# Altium PCB WeatherMonitor.PcbDoc (part 2 of 2) (continued)
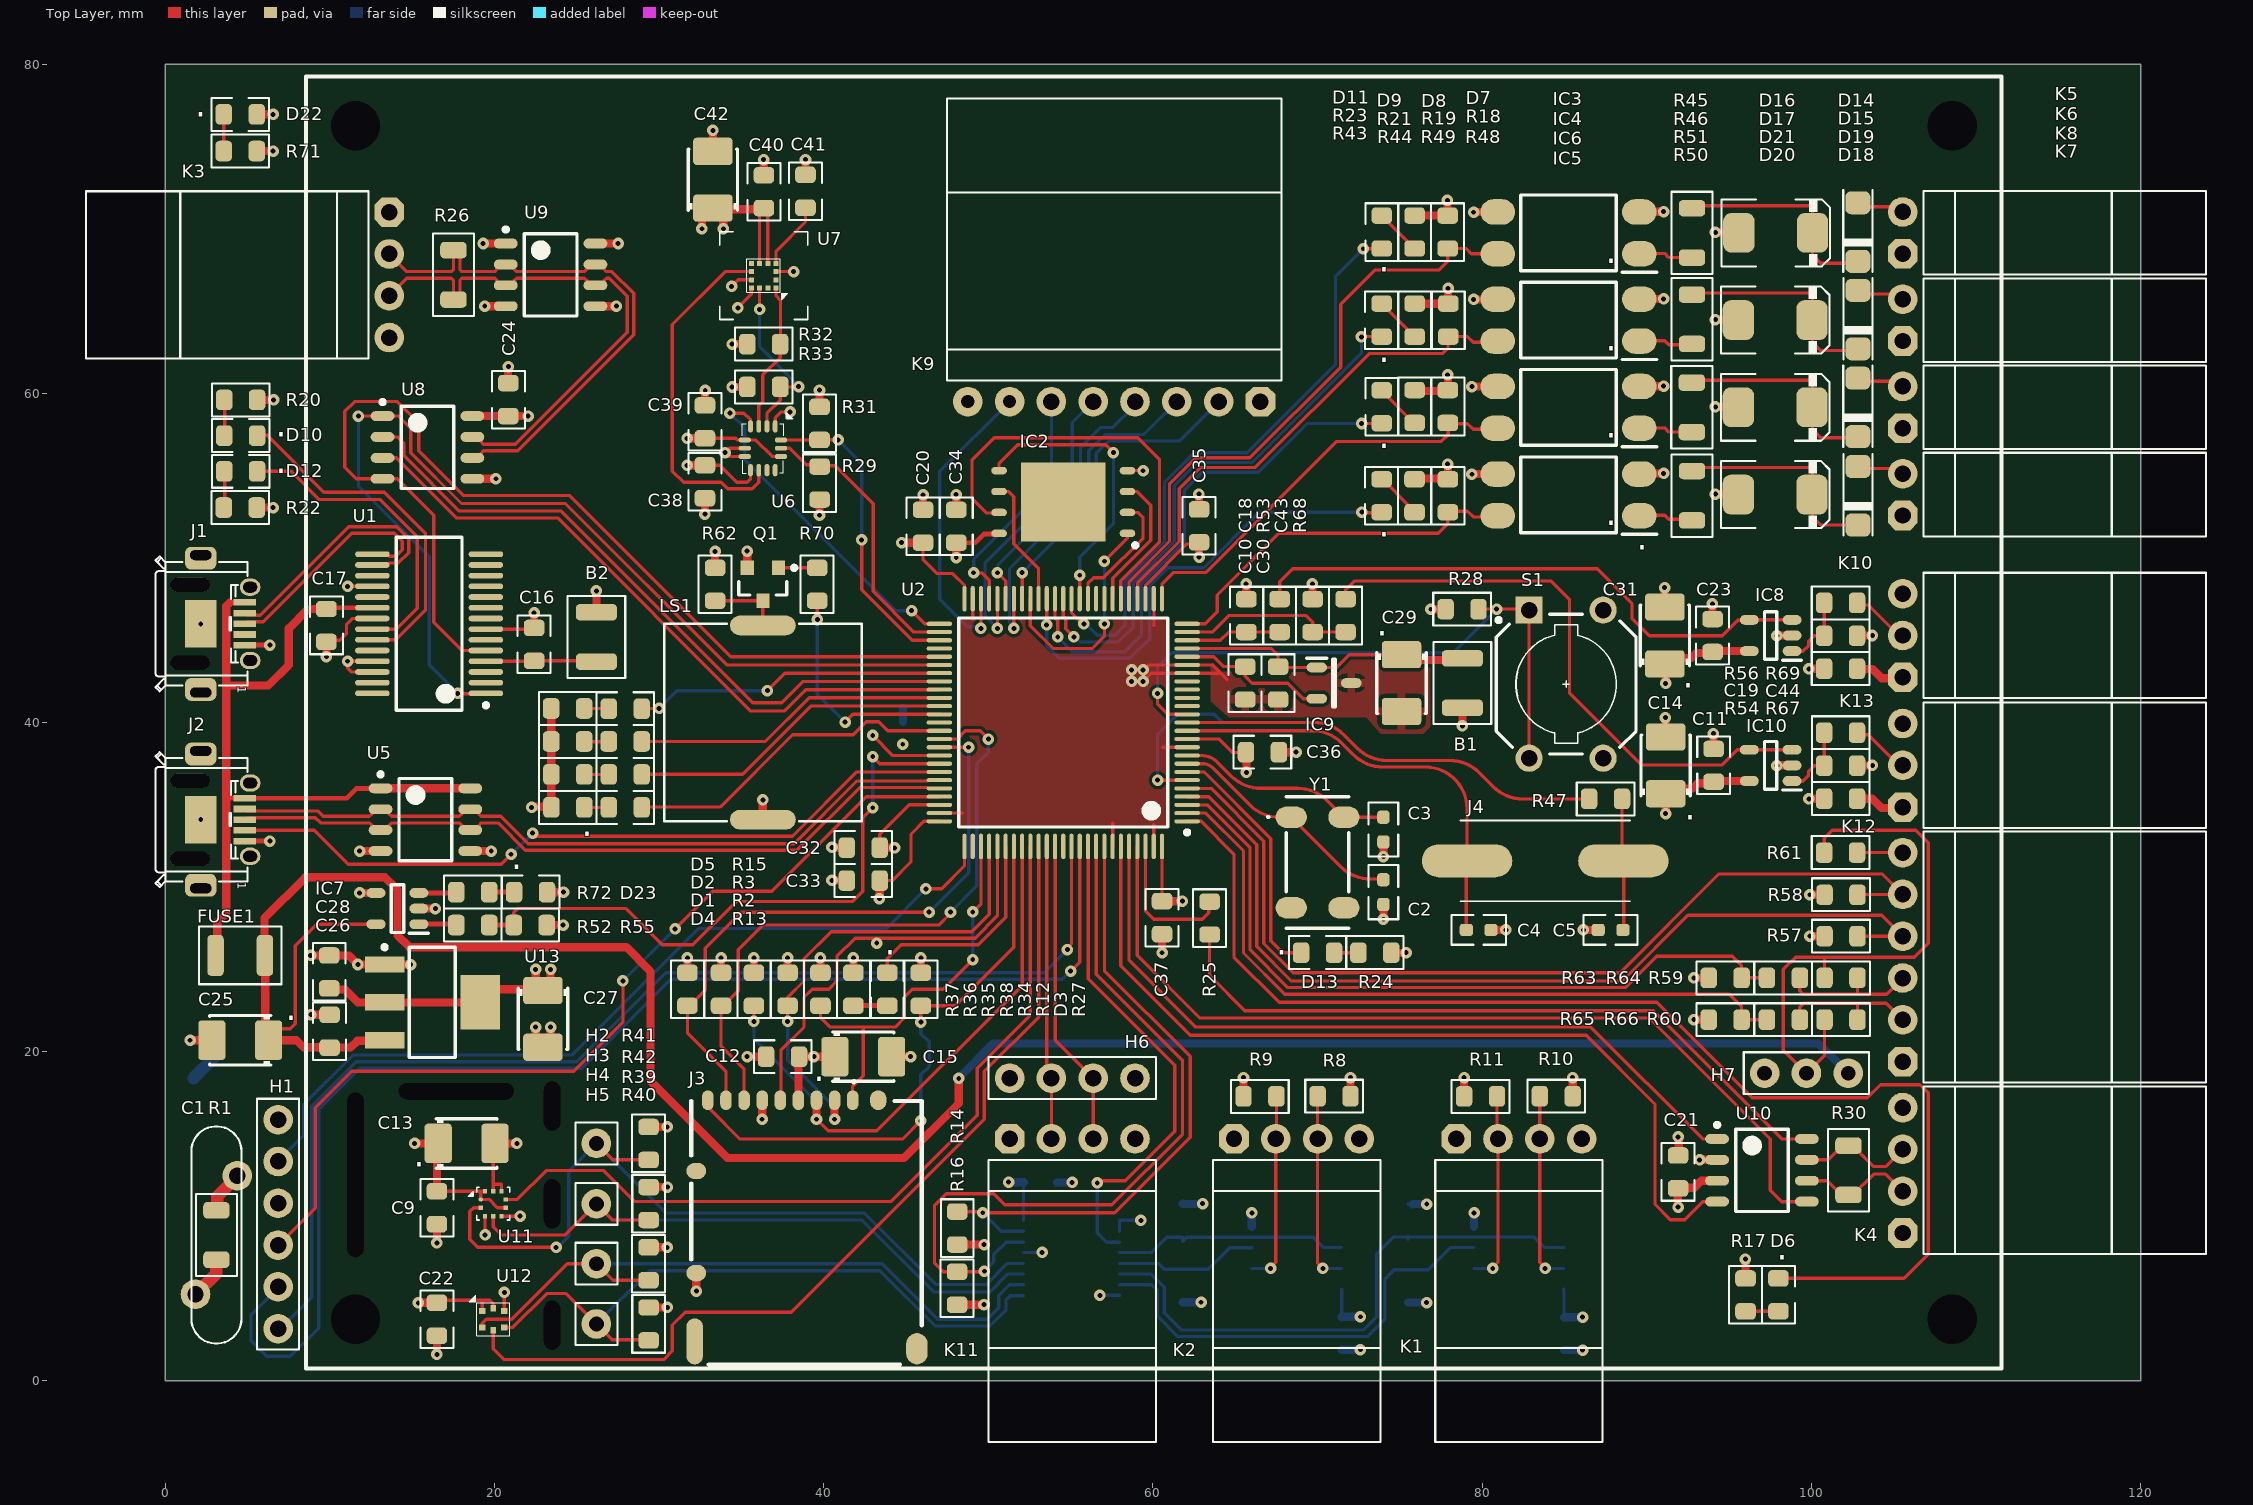
[diagram p0: Top Layer view]
## Nets (pads, with @x,y where several pads share a name; then routed paths per layer and width w, separated by ;. In a path a pad name is that pad's centre, name@x,y a point inside that pad or via, vN(x,y) a via of type N, cw(c..) or ccw(c..) an arc to the next point about the centre after c; other vN are vias at no path point) (continued)
  Top Layer w0.2: D9.1@73.9,65.45 R21.2@75.7,63.65
NetD10_1: D10.1 R20.1 | length 2.2
  Top Layer w0.2: D10.1@3.575,57.434 3.585,57.434 3.6,57.449 3.6,59.575 R20.1@3.575,59.6
NetD11_1: D11.1 R23.2 | length 2.9
  Top Layer w0.2: D11.1@73.944,70.8 D11.1@73.9,70.8 75.7,69 R23.2@75.9,68.8 R23.2@75.856,68.8
NetD12_1: D12.1 R22.1 | length 2.3
  Top Layer w0.2: R22.1@3.549,53.065 3.6,53.115 D12.1@3.6,55.28
  Top Layer w0.5: D12.1@3.575,55.265 3.585,55.265 D12.1@3.6,55.28
NetD13_1: D13.1 R24.2 | length 1.5
  Top Layer w0.2: D13.1@71.002,26.02 R24.2@72.482,26.02
NetD14_1: D14.1 K5.2 | length 2.4
  Top Layer w0.2: D14.1@102.9,71.33 K5.2@105.24,71.33
  Bottom Layer w0.2: K5.2@105.55,71.02 K5.2@105.6,71.02
NetD14_2: D14.2 D16.2 R45.1 | length 13
  Top Layer w0.2: R45.1@92.929,71.399 99.858,71.399 100.069,71.188 100.069,68.41 100.578,67.901 D14.2@102.835,67.901
NetD15_1: D15.1 K6.2 | length 2.3
  Top Layer w0.2: D15.1@102.9,66.031 K6.2@105.24,66.031
NetD15_2: D15.2 D17.2 R46.1 | length 13
  Top Layer w0.2: R46.1@92.929,66.1 99.858,66.1 100.069,65.889 100.069,63.111 100.578,62.602 D15.2@102.835,62.602
NetD18_1: D18.1 K7.2 | length 2.3
  Top Layer w0.2: D18.1@102.9,55.431 K7.2@105.24,55.431
NetD18_2: D18.2 D20.2 R50.1 | length 13
  Top Layer w0.2: R50.1@92.929,55.5 99.858,55.5 100.069,55.289 100.069,52.511 100.578,52.002 D18.2@102.835,52.002
NetD19_1: D19.1 K8.2 | length 2.3
  Top Layer w0.2: D19.1@102.9,60.731 K8.2@105.24,60.731
NetD19_2: D19.2 D21.2 R51.1 | length 13
  Top Layer w0.2: R51.1@92.929,60.8 99.858,60.8 100.069,60.589 100.069,57.811 100.578,57.302 D19.2@102.835,57.302
NetD22_2: D22.2 R71.2 | length 2.2
  Top Layer w0.2: R71.2@3.549,74.723 D22.2@3.549,76.95
NetD23_2: D23.2 R72.2 | length 1.6
  Top Layer w0.3: R72.2@19.675,29.7 19.775,29.8 19.875,29.7 D23.2@21.188,29.7
NetH7_2: H7.2 R59.1 R60.1 R61.2 | length 35.2
  Top Layer w0.2: R61.2@100.775,32.1 100.775,32.975 101.265,33.465 106.335,33.465 107.1,32.7 107.1,26.6 106.25,25.75 100.8,25.75 ; R60.1@100.8,21.949 100.8,19.8 H7.2@99.7,18.7 98.3,20.1 98.3,25 99.05,25.75 100.8,25.75 ; R59.1@100.8,24.489 100.8,24.567 100.767,24.6 100.8,24.633 100.8,25.75
NetIC3_1: IC3.1 R45.2 | length 3.2
  Top Layer w0.2: IC3.1@89.65,68.5 91.099,68.5 91.349,68.25 R45.2@92.75,68.25
NetIC4_1: IC4.1 R46.2 | length 3.2
  Top Layer w0.2: IC4.1@89.65,63.2 91.099,63.2 91.349,62.95 R46.2@92.75,62.95
NetIC5_1: IC5.1 R50.2 | length 3.2
  Top Layer w0.2: IC5.1@89.65,52.601 91.099,52.601 91.349,52.351 R50.2@92.75,52.351
NetIC6_1: IC6.1 R51.2 | length 3.2
  Top Layer w0.2: IC6.1@89.65,57.901 91.099,57.901 91.349,57.651 R51.2@92.75,57.651
NetIC7_1: IC7.1 R52.2 | length 2.3
  Top Layer w0.3: IC7.1@15.4,27.75 17.625,27.75 R52.2@17.675,27.7
NetIC8_3: IC8.3 IC8.4 R53.2 | length 35.1
  Top Layer w0.2: R53.2@67.7,47.525 67.7,48.55 68.5,49.35 86.984,49.35 89.1,47.235 89.1,46.346 90.164,45.282 94.582,45.282 95.523,46.223 96.213,46.223 IC8.4@96.23,46.24 IC8.3@98.83,46.24
  Top Layer w0.5: R53.2@67.7,47.5 R53.2@67.7,47.525
NetIC10_3: IC10.3 IC10.4 R68.2 | length 37.1
  Top Layer w0.2: R68.2@71.7,47.5 71.7,48.07 72.227,48.597 84.201,48.597 85.3,47.498 85.3,41.8 89.674,37.426 ; 90.5,37.426 89.674,37.426 ; IC10.3@98.83,38.35 96.23,38.35 95.5,38.35 94.576,37.426 89.674,37.426
NetK10_1: K10.1 R54.2 | length 3
  Top Layer w0.5: R54.2@102.775,43.275 102.79,43.259 103.701,43.259 104.262,42.698 105.148,42.698 105.2,42.75 K10.1@105.55,42.75
NetK10_2: K10.2 R56.2 | length 3.6
  Top Layer w0.2: R56.2@102.775,47.275 102.907,47.143 103.457,47.143 105.31,45.29 K10.2@105.55,45.29
NetK12_2: K12.2 R60.2 R66.1 | length 8.5
  Top Layer w0.2: R66.1@99.3,21.949 99.3,22.714 99.535,22.949 102.8,22.949 ; R60.2@102.8,21.949 102.8,22.949 ; K12.2@105.55,21.94 104.541,22.949 102.8,22.949
NetK12_3: K12.3 R59.2 R64.1 | length 8.5
  Top Layer w0.2: R64.1@99.3,24.489 99.3,23.7 99.5,23.5 102.8,23.5 ; R59.2@102.8,24.489 102.815,24.489 102.824,24.48 102.8,24.456 102.8,23.5 ; K12.3@105.55,24.48 104.57,23.5 102.8,23.5
NetK12_6: K12.6 R61.1 | length 2.8
  Top Layer w0.2: R61.1@102.775,32.1 K12.6@105.55,32.1
  Bottom Layer w0.5: K12.6@105.55,32.1 K12.6@105.6,32.1
NetK13_1: K13.1 R67.2 | length 2.8
  Top Layer w0.5: R67.2@102.79,35.369 103.701,35.369 104.253,34.817 K13.1@105.391,34.817
NetK13_2: K13.2 R69.2 | length 3.2
  Top Layer w0.2: R69.2@102.907,39.253 103.458,39.253 K13.2@105.31,37.4
NetLS1_1: LS1.1 Q1.3 R62.1 | length 4.9
  Top Layer w0.2: R62.1@33.4,47.4 Q1.3@36.3,47.4 36.3,45.511 LS1.1@36.3,45.6
NetQ1_1: Q1.1 R70.2 | length 2.3
  Top Layer w0.2: Q1.1@37.25,49.4 R70.2@39.6,49.4
NetR25_1: R25.1 U2.98 | length 8.8
  Top Layer w0.2: U2.98@59.55,32.475 59.55,28.533 60.033,28.05 62.987,28.05 63.384,28.447 63.384,29.065 R25.1@63.444,29.125
NRST: R28.1 S1.1 S1.2 U2.14 | length 38.7
  Top Layer w0.2: v1(60.281,41.775) 60.281,41.114 60.895,40.5 U2.14@62.075,40.5 ; R28.1@79.777,46.885 79.777,46.894 v1(80.877,46.894) 82.791,46.894 S1.1@82.85,46.836 S1.2@82.85,37.836 S1.2@82.914,37.9
  Bottom Layer w0.2: v1@60.377,41.871 v1(60.281,41.775) 60.281,43.394 61.137,44.25 78.233,44.25 v1(80.877,46.894)
OSC32_IN: C2.2 U2.8 Y1.1 | length 14.6
  Top Layer w0.2: U2.8@62.075,37.5 63.026,37.5 cw(c63.026,36.656) 63.622,37.253 65.881,34.994 ccw(c67.677,36.79) 67.677,34.25 Y1.1@68.4,34.25 68.402,34.25 69.022,33.631 69.022,33.628 71.406,31.244 ccw(c73.202,33.04) 73.202,30.5 74,30.5 C2.2@74,30.45
OSC32_OUT: C3.2 U2.9 Y1.4 | length 13.2
  Top Layer w0.2: U2.9@62.075,38 62.835,38 cw(c62.835,35.951) 62.95,37.997 cw(c62.95,36.634) 63.395,37.922 cw(c62.95,36.634) 63.914,37.598 64.762,36.749 ccw(c66.558,38.545) 65.425,36.272 ccw(c66.558,38.545) 66.558,36.005 68.793,36.005 cw(c68.793,33.465) 70.589,35.261 Y1.4@71.6,34.25 C3.2@74,34.25
OSC_IN: C4.1 J4.1 U2.12 | length 26.5
  Top Layer w0.2: U2.12@62.075,39.5 69.674,39.5 cw(c69.674,36.96) 71.47,38.756 72.182,38.044 ccw(c73.978,39.84) 73.978,37.3 76.542,37.3 cw(c76.542,34.76) 79.082,34.76 J4.1@79.082,31.6 ccw(c79.195,31.487) 79.035,31.487 C4.1@79.035,27.4
OSC_OUT: R47.1 U2.13 | length 25.9
  Top Layer w0.2: U2.13@62.075,40 69.804,40 cw(c69.804,37.46) 71.6,39.256 72.412,38.444 ccw(c74.208,40.24) 74.208,37.7 78.029,37.7 cw(c78.029,35.16) 79.825,36.956 80.68,36.101 ccw(c82.476,37.897) 82.476,35.357 86.497,35.357 R47.1@86.497,35.366
PCA9546_RESET#: IC1.3 U2.91 | length 30
  Top Layer w0.2: U2.91@56.05,32.475 56.05,32.11 U2.91@56.06,32.1 ; U2.91@56.06,31.78 56.06,24.44 61.317,19.183 61.317,15.174 58.308,12.165 56.835,12.165 v1@56.8,12.2 ; U2.91@56.06,31.78 U2.91@56.06,32.1
  Bottom Layer w0.2: v1(56.616,12.031) 56.616,8.995 57.176,8.435 IC1.3@57.639,8.435 ; IC1.3@57.62,8.455 IC1.3@57.639,8.435 ; IC1.3@57.971,8.435 IC1.3@57.669,8.435 ; IC1.3@57.639,8.435 IC1.3@57.669,8.435 ; IC1.3@57.639,8.435 57.654,8.42 IC1.3@57.669,8.435
QUAD_SPI_CLK: IC2.6 U2.41 | length 7.9
  Top Layer w0.2: IC2.6@50.65,54.035 51.242,54.035 51.55,53.727 51.55,50.85 53.05,49.35 U2.41@53.05,47.525
QUAD_SPI_CS#: IC2.1 U2.42 | length 14
  Top Layer w0.2: U2.42@52.55,47.525 52.55,45.89 53.94,44.5 56.306,44.5 57.05,45.244 v1(57.05,46) 57.05,46.069 v1@57.081,46.1 ; v1(57.05,49.8) 58.45,51.2 IC2.1@58.45,51.495
  Bottom Layer w0.2: v1(57.05,46) v1(57.05,49.8)
QUAD_SPI_DQ0: IC2.5 U2.36 | length 17.8
  Top Layer w0.2: IC2.5@50.7,55.3 50.695,55.305 IC2.5@50.65,55.305 50.65,55.75 51.781,56.881 57.119,56.881 v1(57.6,56.4) ; U2.36@55.55,47.525 v1(55.55,48.95)
  Bottom Layer w0.2: v1(55.55,48.95) 55.55,50.039 57.6,52.089 v1(57.6,56.4)
QUAD_SPI_DQ1: IC2.2 U2.35 | length 7.7
  Top Layer w0.2: U2.35@56.05,47.525 56.05,48.45 56.39,48.79 56.99,48.79 59.4,51.2 59.4,52.451 59.086,52.765 IC2.2@58.45,52.765
QUAD_SPI_DQ2: IC2.3 U2.32 | length 8.4
  Top Layer w0.2: U2.32@57.55,47.525 57.55,48.765 59.865,51.081 59.865,53.21 59.042,54.034 IC2.3@58.451,54.034
QUAD_SPI_DQ3/HOLD#: IC2.7 U2.31 | length 26.3
  Top Layer w0.2: IC2.7@50.65,52.765 50.65,52.75 50.6,52.7 50.571,52.729 49.905,52.729 49,53.634 49,55.939 50.361,57.3 59.081,57.3 60.4,55.981 60.4,50.975 58.05,48.625 U2.31@58.05,47.525
R\E\S\E\T\_FT: U1.19
RCC_MCO: U2.67 | length 4.6
  Top Layer w0.2: v1(42.975,39.217) 44.196,37.997 46.797,37.997 46.8,38 U2.67@47.025,38
REF_2048V: C10.1 IC9.2 U2.21 | length 9.3
  Top Layer w0.2: U2.21@62.075,44 63.7,44 64.3,43.4 C10.1@65.6,43.4 65.6,42.8 66.016,42.384 68.191,42.384 69.125,41.45 IC9.2@69.95,41.45
RESET_LCD: K9.6 U2.47 | length 14.6
  Top Layer w0.2: v1(49.1,49.1) 49.11,49.09 49.61,49.09 50.05,48.65 U2.47@50.05,47.525
  Bottom Layer w0.2: v1(49.1,49.1) 49.11,49.09 49.11,49.91 53.83,54.63 K9.6@53.83,59.5
RS485_N: K3.2 R26.2 U8.6 U9.2 U9.7 | length 34.5
  Top Layer w0.2: K3.2@13.603,68.47 14.673,67.4 15.586,67.4 17.383,67.4 17.5,67.517 R26.2@17.5,68.7 17.511,68.7 17.9,68.311 17.9,67.517 18.017,67.4 20.005,67.4 20.177,67.571 20.177,67.65 20.362,67.835 20.995,67.835 21.18,67.65 21.18,67.571 21.351,67.4 25.455,67.4 25.627,67.571 25.627,67.65 25.812,67.835 26.445,67.835 26.63,67.65 26.63,67.571 26.801,67.4 27.133,67.4 28.453,66.079 28.453,63.551 21.418,56.516 19.323,56.516 19.152,56.345 19.152,56.266 18.967,56.081 U8.6@18.65,56.081
RS485_P: K3.3 R26.1 U8.7 U9.3 U9.6 | length 33.1
  Top Layer w0.2: K3.3@13.603,65.93 14.673,67 15.752,67 17.383,67 17.5,66.883 R26.1@17.5,65.7 17.511,65.7 17.9,66.089 17.9,66.883 18.017,67 20.005,67 20.177,66.829 20.177,66.75 20.362,66.565 20.995,66.565 21.18,66.75 21.18,66.829 21.351,67 25.455,67 25.627,66.829 25.627,66.75 25.812,66.565 26.445,66.565 26.63,66.75 26.63,66.829 26.801,67 26.967,67 28.053,65.914 28.053,63.717 21.252,56.916 19.323,56.916 19.152,57.087 19.152,57.166 18.967,57.351 U8.7@18.65,57.351
RTC_OUT_ALARM: D13.2 U2.7 | length 15.1
  Top Layer w0.2: U2.7@62.075,37 63.1,37 67.15,32.95 67.15,26.74 67.87,26.02 D13.2@69.002,26.02
RTS#: U1.3
RXD_HOST: U1.5 U2.55 U8.4 | length 64.2
  Top Layer w0.2: U1.5@19.475,44.375 18.025,44.375 16.3,46.1 16.3,52.6 14.089,54.811 U8.4@13.2,54.811 11.589,54.811 10.9,55.5 10.9,58.9 11.5,59.5 14.1,59.5 15.4,58.2 15.4,56.5 18.1,53.8 24.55,53.8 34.35,44 46.638,44 U2.55@47.025,44
RXDEN_HOST#: U2.58 U8.2 | length 41.5
  Top Layer w0.2: U8.2@13.2,57.351 14.09,57.351 14.5,56.941 14.5,56.2 17.85,52.85 24.05,52.85 35.7,41.2 37.451,41.2 38.751,42.5 U2.58@47.025,42.5
RXLED#: D12.2 U1.22 | length 19
  Top Layer w0.2: D12.2@5.575,55.265 7.635,55.265 9.35,53.55 13.05,53.55 15.3,51.3 15.3,46.95 14.025,45.675 U1.22@12.575,45.675
SC0: IC1.7 R5.1 U3.3 | length 27.4
  Bottom Layer w0.2: IC1.7@57.971,5.844 59.937,5.844 60.281,5.5 60.281,3.919 61.5,2.7 73.012,2.7 74.1,3.788 74.1,6.209 74.652,6.761 R5.1@75.491,6.761 76.727,6.761 78.071,8.104 U3.3@79.507,8.104
SC1: IC1.5 R4.2 U4.3 | length 8.7
  Bottom Layer w0.2: IC1.5@57.971,7.139 60.33,7.139 60.686,6.784 R4.2@61.791,6.784 63.356,6.784 64.672,8.1 66.002,8.1 U4.3@66.007,8.104
SC2: H4.1 IC1.10 R39.1 U12.2 | length 40.9
  Top Layer w0.2: U12.2@19.245,3.25 19.258,3.263 19.258,3.5 19.508,3.75 21.05,3.75 24.426,7.126 H4.1@26.188,7.126 27.195,6.119 R39.1@29.357,6.119
  Bottom Layer w0.2: H4.1@26.188,7.126 43.542,7.126 46.918,3.75 49.927,3.75 50.629,4.452 50.629,5.189 51.284,5.844 IC1.10@52.129,5.844
SC3: H2.1 IC1.12 R41.1 U11.2 | length 48.9
  Top Layer w0.2: U11.2@19.2,10.5 19.174,10.526 U11.2@19.158,10.526 18.726,10.526 18.5,10.3 18.5,8.6 18.981,8.119 v1@23.7,8.119 ; H2.1@26.188,14.431 27.188,13.431 R41.1@29.357,13.431
  Bottom Layer w0.2: v1(23.735,8.119) 23.785,8.119 23.8,8.104 24.5,8.804 24.5,12.743 H2.1@26.188,14.431 30.42,10.2 42.475,10.2 46.82,5.855 49.874,5.855 51.158,7.139 IC1.12@52.129,7.139
SD0: IC1.6 R7.1 U3.6 | length 34.2
  Bottom Layer w0.2: IC1.6@57.971,6.504 59.865,6.504 60.686,5.684 60.686,4.139 61.725,3.1 72.796,3.1 73.6,3.904 73.6,7.737 74.607,8.744 R7.1@75.5,8.744 83.156,8.744 83.796,8.104 U3.6@84.957,8.104 ; R7.1@75.491,8.589 R7.1@75.5,8.589
SD1: IC1.4 R6.2 U4.6 | length 14.5
  Bottom Layer w0.2: IC1.4@57.952,7.8 IC1.4@57.971,7.8 59.9,7.8 60.837,8.737 61.809,8.737 61.809,8.489 62.057,8.737 69.736,8.737 70.369,8.104 U4.6@71.457,8.104
SD2: H5.1 IC1.9 R40.1 U12.4 | length 40.7
  Top Layer w0.2: U12.4@20.595,3.25 20.595,3.202 20.643,3.25 21.117,3.25 23.178,5.311 24.342,5.311 H5.1@26.188,3.464 27.149,2.504 R40.1@29,2.504
  Top Layer w0.5: R40.1@29,2.504 29.039,2.464 R40.1@29.366,2.464
  Bottom Layer w0.2: H5.1@26.188,3.464 29.424,6.7 43.4,6.7 46.761,3.339 50.085,3.339 51.075,4.329 51.075,4.932 51.326,5.183 IC1.9@52.129,5.183
SD3: H3.1 IC1.11 R42.1 U11.4 | length 40.1
  Top Layer w0.2: U11.4@19.92,10.014 19.92,9.369 20.42,8.869 24.297,8.869 H3.1@26.188,10.76 27.172,9.776 R42.1@29.366,9.776
  Bottom Layer w0.2: H3.1@26.188,10.76 27.172,9.776 42.323,9.776 46.699,5.4 50.084,5.4 51.189,6.504 IC1.11@52.129,6.504
SD_CLK: J3.5 U2.80 | length 25.9
  Top Layer w0.2: J3.5@37.359,17.057 37.359,17.041 37.4,17 37.4,20.101 38.799,21.5 38.799,23.299 39.3,23.8 40.3,23.8 40.8,24.3 40.8,25.8 41.9,26.9 49.2,26.9 50.55,28.25 U2.80@50.55,32.475
  other v1: 43.219,26.601
SD_CMD: J3.3 R35.1 U2.83 | length 34.4
  Top Layer w0.2: v1(35.759,21.843) R35.1@35.759,22.8 ; v1(39.559,15.9) 40.259,15.2 43.233,15.2 52.05,24.017 U2.83@52.05,32.475
  Top Layer w0.5: v1(39.559,15.9) J3.3@39.559,17.057
  Bottom Layer w0.2: v1@35.759,21.643 35.759,20.775 39.559,16.975 v1(39.559,15.9)
  Bottom Layer w0.5: v1@39.5,15.876 39.524,15.9 v1(39.559,15.9)
SD_D0: J3.7 R36.1 U2.65 | length 39.3
  Top Layer w0.2: J3.7@35.159,17.057 35.157,18.943 33.759,20.341 R36.1@33.759,22.8 33.9,22.8 34.8,23.7 34.8,26.2 36.3,27.7 47,27.7 47.7,28.4 v1(47.7,28.484) ; U2.65@47.025,39 48.1,39 48.6,39.5 49.5,39.5 v1(50,39)
  Top Layer w0.5: J3.7@35.159,17.057 J3.7@35.159,17.057
  Bottom Layer w0.2: v1(47.7,28.484) 49.3,30.084 49.3,37.5 50,38.2 v1@50,38.9 ; v1@49.9,39 v1@50,38.9 ; v1(50,39) v1@50,38.9 ; v1@50.1,38.8 v1@50,38.9
SD_D1: J3.8 R37.1 U2.66 | length 38.5
  Top Layer w0.2: J3.8@34.059,17.057 34.059,18.815 31.716,21.158 R37.1@31.716,22.799 31.849,22.799 32.8,23.75 32.8,26.3 34.984,28.484 v1(46.4,28.484) ; U2.66@47.025,38.5 49.05,38.5 v1(48.8,38.5)
  Bottom Layer w0.2: v1(46.4,28.484) 48.8,30.884 v1(48.8,38.5)
SD_D2: J3.1 R34.1 U2.78 | length 24.5
  Top Layer w0.2: R34.1@39.8,22.8 39.8,22.1 40.4,21.5 42.4,21.5 ; J3.1@41.759,17.057 J3.1@41.759,17.259 ; J3.1@41.9,17.4 41.888,17.4 41.75,17.538 41.75,17.9 42.4,18.55 42.4,21.5 ; v1(49.05,25.6) 47.25,23.8 45.375,23.8 44.9,23.325 44.9,22.052 44.348,21.5 42.4,21.5 ; v1(49.05,28.5) 49.1,28.5 49.55,28.95 U2.78@49.55,32.475
  Bottom Layer w0.2: v1(49.05,28.5) v1(49.05,25.6) 49.05,25.55 v1@49.1,25.5
SD_D3/CD: J3.2 R38.1 U2.79 | length 28.8
  Top Layer w0.2: v1(37.809,21.843) 37.8,21.852 R38.1@37.8,22.8 37.8,23.3 38.799,24.299 38.799,25.649 40.45,27.3 49,27.3 50.05,28.35 U2.79@50.05,32.475
  Top Layer w0.5: v1(40.659,15.9) J3.2@40.659,17.057
  Bottom Layer w0.2: v1@37.809,21.643 37.809,19.491 40.659,16.641 v1(40.659,15.9)
SD_DETECT: J3.10 R27.2 U2.82 | length 35.3
  Top Layer w0.2: J3.10@32.959,17.057 32.959,16.641 33,16.6 33.031,16.6 33.136,16.495 33.136,16.464 34.9,14.7 44.8,14.7 v1(45.9,15.8) ; v1(45.9,21.8) R27.2@45.9,22.8 48,22.8 51.55,26.35 U2.82@51.55,32.475
  Bottom Layer w0.2: v1(45.9,15.8) 45.9,18.6 46.4,19.1 46.4,20.6 45.9,21.1 v1(45.9,21.8)
SHIELD: C1.1 J1.6 J1.7 J1.8 J1.9 J1.10 J2.6 J2.7 J2.8 J2.9 J2.10 R1.2 | length 4.4
  Top Layer w0.5: R1.2@3.1,10.369 R1.2@3.149,10.419
  Top Layer w0.75: R1.2@3.149,10.419 3.149,11.2 4.37,12.421 C1.1@4.37,12.469
  Bottom Layer w0.75: 1.715,18.4 3,19.685
  other v1: 2.15,34.1 2.15,46
SPI1_CLK_LCD: K9.3 U2.44 | length 21.3
  Top Layer w0.2: v1(51.55,45.725) U2.44@51.55,47.525
  Bottom Layer w0.2: v1(51.55,45.725) 51.55,45.832 51.29,46.092 51.29,49.36 56.1,54.17 56.1,56.5 57.1,57.5 59.45,57.5 K9.3@61.45,59.5
SPI1_MOSI_LCD: K9.5 U2.46 | length 18.6
  Top Layer w0.2: v1(50.55,45.725) U2.46@50.55,47.525
  Bottom Layer w0.2: v1(50.55,45.725) 49.8,46.475 49.8,49.71 55.1,55.01 55.1,58.23 K9.5@56.37,59.5
SPI1_NSS_LCD: K9.2 U2.43 | length 19.4
  Top Layer w0.2: U2.43@52.05,47.525 v1(52.05,49.115)
  Bottom Layer w0.2: v1(52.05,49.115) 56.55,53.615 56.55,56.35 57.3,57.1 61.59,57.1 K9.2@63.99,59.5
TIM3_CH1: R65.2 R66.2 U2.2 | length 44.5
  Top Layer w0.2: U2.2@62.075,34.5 63.026,34.5 63.2,34.5 65.5,32.2 65.5,26 68,23.5 95,23.5 95.76,22.74 R65.2@95.76,21.949 R66.2@97.3,21.949
TIM3_CH2: R63.2 R64.2 U2.3 | length 45.2
  Top Layer w0.2: U2.3@62.075,35 62.075,34.994 63.306,34.994 65.9,32.4 65.9,26.2 68.2,23.9 88.7,23.9 90.6,25.8 95.2,25.8 95.76,25.24 R63.2@95.76,24.489 R64.2@97.3,24.489
TIM3_IN_CH3: K12.4 R57.2 U2.4 | length 56.9
  Top Layer w0.2: U2.4@62.075,35.5 62.134,35.5 62.16,35.474 62.185,35.5 63.384,35.5 66.3,32.584 66.3,26.4 68.4,24.3 88.5,24.3 92.5,28.3 104.27,28.3 K12.4@105.55,27.02 102.981,27.02 102.8,26.839 R57.2@102.8,26.939
TIM3_IN_CH4: K12.5 R58.2 U2.5 | length 57.8
  Top Layer w0.2: U2.5@62.075,36 U2.5@62.37,36 ; U2.5@62.397,35.99 62.388,35.982 U2.5@62.37,36 ; R58.2@102.8,29.54 102.8,29.756 102.996,29.56 K12.5@105.55,29.56 104.31,30.8 94.381,30.8 88.381,24.799 68.51,24.799 66.732,26.578 66.732,32.801 63.532,36 U2.5@62.37,36
TXD_HOST: U1.1 U2.56 U8.1 | length 63.7
  Top Layer w0.2: v1(11.728,58.621) U8.1@13.2,58.621 14.164,58.621 14.9,57.885 14.9,56.4 17.991,53.309 24.291,53.309 34.1,43.5 47.1,43.5 U2.56@47.025,43.5 ; v1(17.755,41.775) 17.78,41.75 19.378,41.75 19.403,41.775 U1.1@19.475,41.775
  Bottom Layer w0.2: v1(11.728,58.621) 11.728,54.372 16.025,50.075 16.025,43.505 v1(17.755,41.775)
TXDEN_HOST: U2.59 U8.3 | length 40
  Top Layer w0.2: U8.3@13.916,56.081 14.019,56.081 17.669,52.431 23.826,52.431 35.557,40.7 37.605,40.7 38.905,42 U2.59@47.025,42
TXLED#: D10.2 U1.23 | length 21.3
  Top Layer w0.2: D10.2@5.575,57.434 5.585,57.434 5.6,57.449 6.184,57.449 9.633,54 13.3,54 15.8,51.5 15.8,46.825 14,45.025 U1.23@12.575,45.025
USART2_RX: H6.3 K11.3 U2.87 | length 18.8
  Top Layer w0.2: U2.87@54.05,32.475 54.05,32.491 54.059,32.5 54.059,20.711 H6.3@56.37,18.4 56.37,14.956 K11.3@56.37,14.706
USART2_TX: H6.2 K11.2 U2.86 | length 17.9
  Top Layer w0.2: U2.86@53.55,32.475 53.55,18.68 H6.2@53.83,18.4 K11.2@53.83,14.706
USB_FS_ID: J2.4 U2.69 | length 45.6
  Top Layer w0.2: J2.4@4.825,33.45 9.05,33.45 11.1,31.4 20.4,31.4 v1(21,32) ; v1@22.21,33.29 v1(22.31,33.29) 22.5,33.1 38.1,33.1 42,37 U2.69@47.025,37
  Bottom Layer w0.2: v1(21,32) v1(22.31,33.29)
USB_FS_N: J2.2 U2.70 U5.2 U5.7 | length 45.4
  Top Layer w0.2: J2.2@4.825,34.75 4.925,34.65 5.492,34.65 5.517,34.625 9.275,34.625 9.6,34.3 12.402,34.3 12.573,34.471 12.573,34.55 12.758,34.735 13.392,34.735 13.577,34.55 13.577,34.471 13.748,34.3 17.852,34.3 18.023,34.471 18.023,34.55 18.208,34.735 18.842,34.735 19.027,34.55 19.027,34.471 19.198,34.3 20.381,34.3 22.041,32.64 38.206,32.64 42.016,36.45 46.311,36.45 46.361,36.5 U2.70@46.859,36.5
USB_FS_P: J2.3 U2.71 U5.3 U5.6 | length 45.6
  Top Layer w0.2: J2.3@4.825,34.1 4.925,34.2 5.492,34.2 5.517,34.225 9.109,34.225 9.434,33.9 12.402,33.9 12.573,33.729 12.573,33.65 12.758,33.465 13.392,33.465 13.577,33.65 13.577,33.729 13.748,33.9 17.852,33.9 18.023,33.729 18.023,33.65 18.208,33.465 18.842,33.465 19.027,33.65 19.027,33.729 19.198,33.9 20.215,33.9 21.875,32.24 38.371,32.24 42.181,36.05 46.311,36.05 46.361,36 U2.71@47.025,36
USB_FS_VBUS: R52.1 R55.1 U2.68 | length 38.7
  Top Layer w0.2: R55.1@21.182,28.05 21.162,28.07 21.162,28.462 21.4,28.7 24.342,28.7 27.986,28.7 30.186,26.5 32.05,26.5 34.675,29.125 41.74,29.125 42.375,29.76 42.375,34.225 v1(42.975,34.825) ; v1(42.975,37.925) 43.4,37.5 47.075,37.5 U2.68@47.025,37.5
  Top Layer w0.3: R52.1@19.675,27.7 R55.1@21.163,27.7 21.182,27.719 R55.1@21.182,28.05 ; R55.1@21.182,27.681 21.188,27.675 R55.1@21.188,27.796
  Bottom Layer w0.2: v1(42.975,34.825) v1(42.975,37.925)
USB_N: J1.2 U1.16 | length 15.9
  Top Layer w0.2: J1.2@4.825,46.65 4.925,46.55 5.492,46.55 5.517,46.525 5.774,46.525 11.149,51.9 14.066,51.9 14.784,51.181 14.784,50.322 14.162,49.7 13.616,49.7 13.491,49.575 U1.16@12.575,49.575
USB_P: J1.3 U1.15 | length 14.6
  Top Layer w0.2: J1.3@4.825,46 4.925,46.1 5.492,46.1 5.517,46.125 5.94,46.125 11.315,51.5 13.9,51.5 14.384,51.016 14.384,50.488 13.997,50.1 13.616,50.1 13.491,50.225 U1.15@12.575,50.225
VBAT: U2.6 U14.1 | length 9.2
  Top Layer w0.2: v1(60.281,36.5) U2.6@62.075,36.5
  Bottom Layer w0.2: v1(60.281,36.5) 60.281,39.281 61.5,40.5 63.73,40.5 U14.1@64.18,40.05
Vbus: C17.1 FUSE1.2 J1.1 J2.1 U1.20 U5.1 U5.8 | length 50
  Top Layer w0.3: 3.7,35.4 J2.1@4.8,35.4 ; 3.925,47.3 J1.1@4.725,47.3 ; J1.1@4.7,47.275 J1.1@4.725,47.3 ; J2.1@4.825,35.4 J2.1@4.8,35.4 ; J1.1@4.925,47.3 J1.1@4.725,47.3 ; C17.1@9.782,47 9.808,46.975 12.449,46.975 U1.20@12.575,46.975 ; U5.1@13.075,36.005 11.62,36.005 11.015,35.4 J2.1@4.8,35.4
  Top Layer w0.5: FUSE1.2@3.149,25.851 3.149,27.862 3.7,28.412 3.7,35.4 3.7,42.25 ; 3.9,47.275 3.7,47.075 3.7,42.25 ; C17.1@9.782,46.9 8.675,46.9 7.5,45.725 7.5,43.5 6.25,42.25 3.7,42.25 ; U5.1@13.075,36.005 U5.8@18.525,36.005
VBUS_F: C25.1 C26.1 FUSE1.1 H7.3 IC7.5 U13.3 | length 141.9
  Top Layer w0.2: C25.1@6.5,21.4 7.6,21.4 7.9,21.7 7.9,26.45 9.2,27.75 IC7.5@12.8,27.75
  Top Layer w0.5: C25.1@6.074,20.701 FUSE1.1@6.074,25.477 ; FUSE1.1@6.274,25.477 5.9,25.851 5.949,25.851 6.026,25.928 6.026,28.126 8.5,30.6 13.35,30.6 14.1,29.85 14.1,27.071 14.82,26.351 28.007,26.351 29.482,24.877 29.482,18.21 34.14,13.552 44.881,13.552 48.2,16.87 v1(48.2,18.382) ; C25.1@6.5,21.4 6.274,21.174 C25.1@6.274,20.701 6.275,20.7 7.975,20.7 8.4,20.275 9.949,20.275 C26.1@9.973,20.251 11.251,20.251 11.663,20.663 13.282,20.663 U13.3@13.32,20.701
  Bottom Layer w0.5: v1(48.2,18.382) 48.2,18.416 50.284,20.5 100.44,20.5 H7.3@102.24,18.7
VDDA: B1.2 C29.1 C30.1 IC9.1 U2.22 | length 18.3
  Top Layer w0.2: U2.22@62.075,44.5 62,44.5 67.2,44.5 67.6,44.1 C30.1@67.6,43.4 67.65,43.35 IC9.1@69.95,43.35 70.237,43.35 70.245,43.341 71.131,43.341 71.915,44.125 C29.1@75.1,44.125 ; B1.2@78.8,43.8 78.806,43.8 B1.2@78.856,43.75
  Top Layer w0.5: C29.1@75.1,44.125 75.425,43.8 B1.2@78.8,43.8
pads on no net: J1.4 J1.11 J1.12 J2.11 J2.12 J3.11 J3.12 J3.13 J3.14 U1.2 U1.6 U1.8 U1.9 U1.10 U1.12 U1.13 U1.14 U1.24 U1.27 U1.28 U2.17 U2.18 U2.33 U2.34 U2.54 U2.63 U2.77 U2.88 U3.1 U3.5 U4.1 U4.5 U6.10 U6.11 U7.2 U7.12 Y1.2 Y1.3

## Polygon pours and split planes (outlines as drawn)
Gnd on Top Layer "Gnd" (solid, pour order 12): 48.2,33.635 60.9,33.666 60.9,46.35 48.2,46.35
Gnd on Top Layer "Gnd" (solid, pour order 10): 64.591,40.318 72.956,40.318 73.832,39.323 76.429,39.329 76.835,39.735 76.835,43.86 63.5,43.86 63.5,41.3
no net on Top Layer "Gnd" (solid, pour order 0): 17.9,77.9
Gnd on gnd "IN_GND" (solid, pour order 2): 0.5,79.5 0.5,0.5 119.5,0.5 119.5,79.5
+3V3 on vcc "+3V3" (solid, pour order 6): 0.5,79.5 0.5,0.5 119.5,0.5 119.5,79.5
SHIELD on Bottom Layer "Gnd" (solid, pour order 14): 0.5,51.3 8.4,51.3 8.4,28.5 4.7,28.5 4.7,8.99 0.5,8.99 0.5,17.2

## Other copper
gnd:
  pour cut-out: 82.18,73.1 82.18,72.411 119.6,72.479 119.6,73.1
  pour cut-out: 88.3,73.1 82.18,73.1 82.221,50.341 88.3,50.341
  pour cut-out: 82.22,51.03 82.22,50.341 119.6,50.409 119.6,51.03
vcc:
  pour cut-out: 88.3,73.1 82.18,73.1 82.221,50.341 88.3,50.341
  pour cut-out: 82.18,73.1 82.18,72.411 119.6,72.479 119.6,73.1
  pour cut-out: 82.22,51.03 82.22,50.341 119.6,50.409 119.6,51.03

## Silkscreen, mask and mechanical layers (free items; w line width, h text height)
Top Overlay:
  lines w0.254: 8.55,0.75 8.55,79.25 111.55,79.25 111.55,0.75 8.55,0.75
  text "." at 1.83,76.8 h1.52
  text "." at 87.5,67.9 h1.52
  text "." at 73.724,67.4 h1.52
  text "." at 87.5,62.602 h1.52
  text "." at 73.724,61.9 h1.52
  text "." at 6.7,57.351 h1.52
  text "." at 87.5,57.302 h1.52
  text "." at 73.724,56.665 h1.52
  text "." at 6.7,55.136 h1.52
  text "." at 87.5,52 h1.52
  text "." at 73.724,51.3 h1.52
  text "." at 89.4,50.5 h1.52
  text "." at 73.6,45.275 h1.52
  text "." at 92.2,42.1 h1.52
  text "." at 92.3,34.1 h1.52
  text "." at 25.3,33.1 h1.52
  text "." at 21,31.1 h1.52
  text "." at 43.7,25.9 h1.52
  text "." at 67.5,25.9 h1.52
  text "." at 7.3,21.9 h1.52
  text "." at 39.4,18.2 h1.52
  text "." at 15.1,13 h1.52
  text "." at 97.9,7.369 h1.52
Outline:
  the board outline again, w0.254

## Text inside footprints (layer, text, board x,y; h text height)
J1: Top Overlay "1" at 4.4,42.2 h0.51 r270; Mechanical 27 "5" at 4.25,47.5 h0.51 r270; Mechanical 27 "1" at 4.25,44.8 h0.51 r270; Mechanical 27 "PCB" at 0,52.2 h0.51 r270; Mechanical 27 "EDGE" at 0,41.75 h0.51 r270
J2: Top Overlay "1" at 4.4,30.3 h0.51 r270; Mechanical 27 "EDGE" at 0,29.85 h0.51 r270; Mechanical 27 "PCB" at 0,40.3 h0.51 r270; Mechanical 27 "1" at 4.25,32.9 h0.51 r270; Mechanical 27 "5" at 4.25,35.6 h0.51 r270